# Altium PCB MotorBoard.PcbDoc (part 2 of 2)
Units mm, origin at the board's own origin, x right, y up, seen from the top; angles counter-clockwise.
Board outline 100 x 100 mm, 2 copper layers (Top Layer, Bottom Layer), stack 1.535 mm thick; 223 components, 73 nets, 805 pads, 205 vias.
Unrouted connection lines stored in the file: 31.
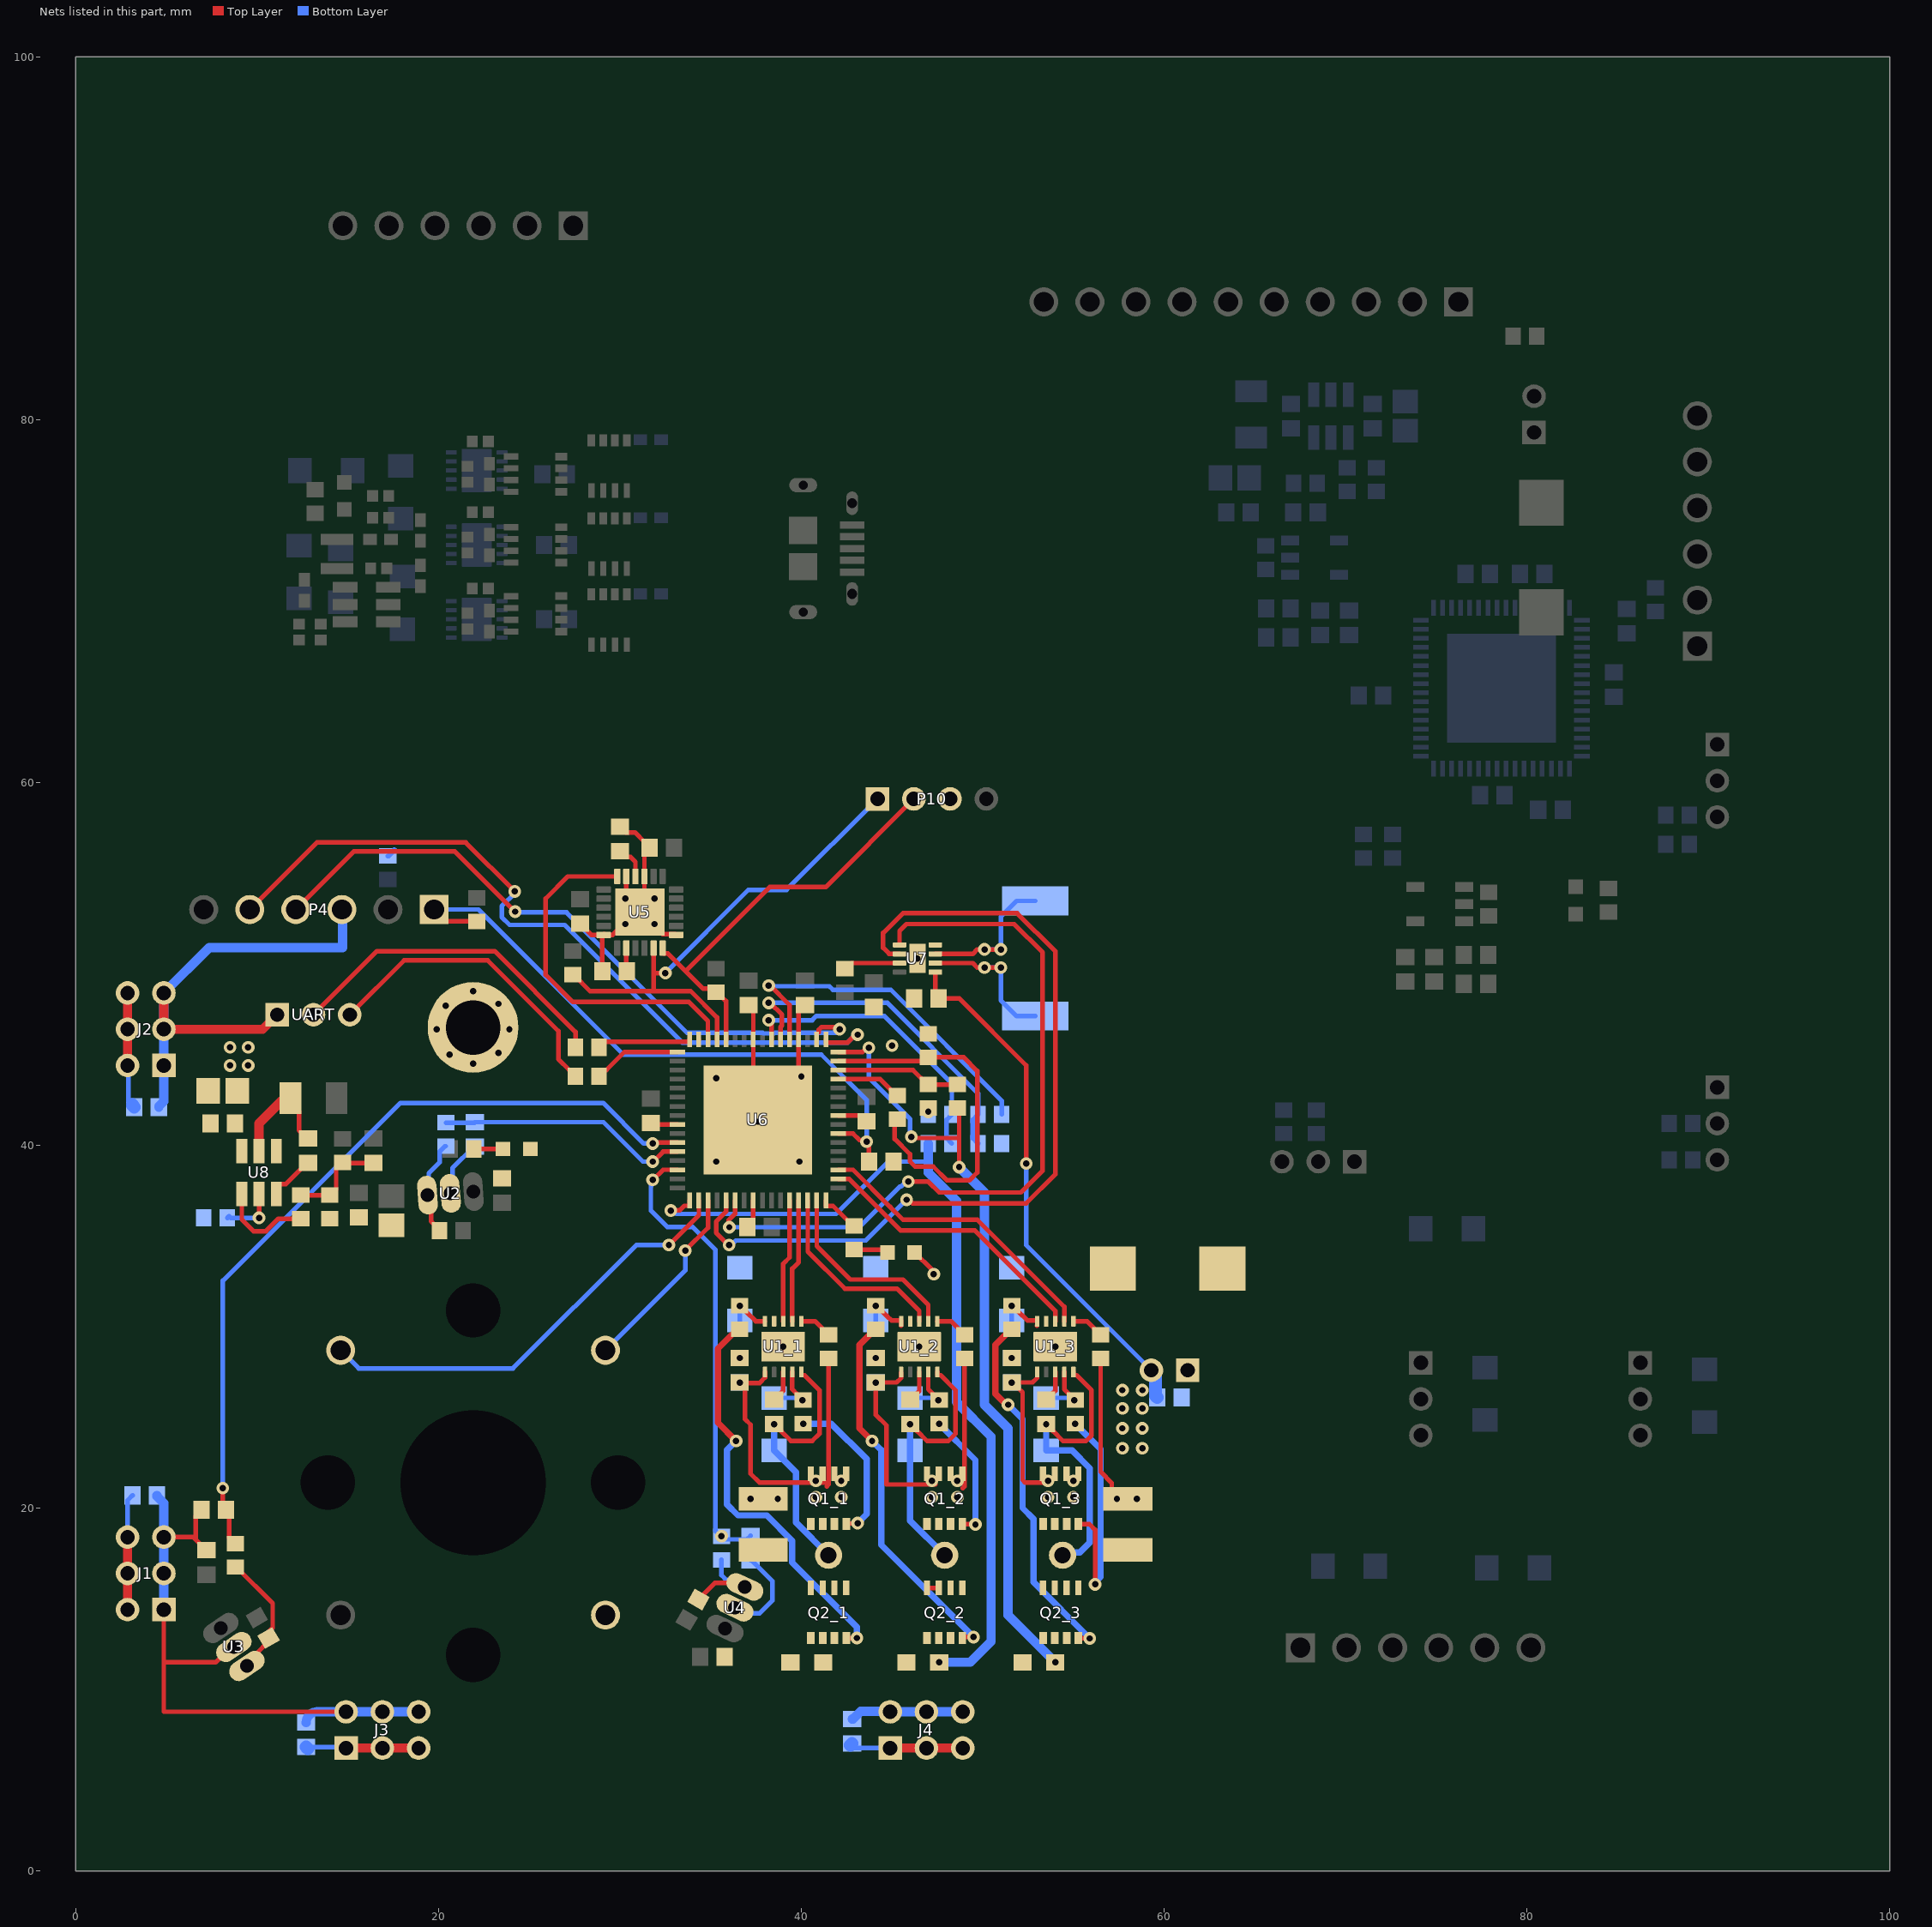
[diagram p2: the nets of this part, all layers, seen from the top]

## Via types
v1: diameter 0.7, hole 0.35, Top Layer to Bottom Layer, tented both sides, 140 vias
v2: diameter 0.7, hole 0.35, Top Layer to Bottom Layer, tented bottom, 41 vias
v3: diameter 0.7, hole 0.35, Top Layer to Bottom Layer, 18 vias
v4: diameter 0.7, hole 0.35, Top Layer to Bottom Layer, tented top, 6 vias

## Nets (pads, with @x,y where several pads share a name; then routed paths per layer and width w, separated by ;. In a path a pad name is that pad's centre, name@x,y a point inside that pad or via, vN(x,y) a via of type N, cw(c..) or ccw(c..) an arc to the next point about the centre after c; other vN are vias at no path point) (continued)
A: P6.1 U6.51 | length 10.6
  Top Layer w0.254: v1(33.6,34.2) 34.85,35.45 U6.51@34.85,36.965
  Bottom Layer w0.254: P6.1@29.2,28.7 33.6,33.1 v1(33.6,34.2)
B: P9.1 U6.50 | length 24.5
  Top Layer w0.254: v1(32.695,34.502) 32.702,34.502 34.35,36.15 U6.50@34.35,36.965
  Bottom Layer w0.254: P9.1@14.6,28.7 15.6,27.7 24.1,27.7 30.902,34.502 v1(32.695,34.502)
BRAKE_SWITCH: R16.1 U6.31 | length 1
  Top Layer w0.254: U6.31@34.347,45.838 U6.31@34.35,45.835
  Bottom Layer w0.254: R16.1@17.2,55.95 17.548,56.298 17.548,56.248 R16.1@17.25,55.95
Bridge_Out1: C2_1.1 D3_1.1 P1.1 Q1_1.1 Q1_1.2 Q1_1.3 Q2_1.5 Q2_1.6 Q2_1.7 Q2_1.8 U1_1.5 | length 15.5
  Top Layer w0.254: v1(38.5,24.625) 38.55,24.625 38.873,24.302 38.873,24.252 39.425,23.7 40.6,23.7 41,24.1 41,26.5 40.173,27.327 40.007,27.327 40,27.334 U1_1.5@40,27.5
  Bottom Layer w0.35: v1(38.5,24.625) D3_1.1@38.5,23.175 39.7,21.975 39.7,19.2 P1.1@41.5,17.4
Bridge_Out2: C2_2.1 D3_2.1 P2.1 Q1_2.1 Q1_2.2 Q1_2.3 Q2_2.5 Q2_2.6 Q2_2.7 Q2_2.8 U1_2.5 | length 15.7
  Top Layer w0.254: v1(46,24.625) 46.05,24.625 46.373,24.302 46.373,24.252 46.925,23.7 48.1,23.7 48.5,24.1 48.5,26.5 47.673,27.327 47.507,27.327 47.5,27.334 U1_2.5@47.5,27.5 ; Q2_2.8@46.925,15.6 Q2_2.7@47.575,15.6
  Bottom Layer w0.35: v1(46,24.625) 46,19.3 P2.1@47.9,17.4
Bridge_Out3: C2_3.1 D3_3.1 P3.1 Q1_3.1 Q1_3.2 Q1_3.3 Q2_3.5 Q2_3.6 Q2_3.7 Q2_3.8 U1_3.5 | length 17.1
  Top Layer w0.254: v1(53.5,24.625) 53.55,24.625 53.873,24.302 53.873,24.252 54.425,23.7 55.7,23.7 56,24 56,26.5 55.173,27.327 55.007,27.327 55,27.334 U1_3.5@55,27.5
  Bottom Layer w0.35: D3_3.1@53.5,23.175 54.925,23.175 55.9,22.2 55.9,18.1 55.352,17.552 54.552,17.552 P3.1@54.4,17.4 ; D3_3.1@53.5,23.3 v1(53.5,24.625)
DEBUG_LED: R28.1 U6.64 | length 2.3
  Top Layer w0.254: U6.64@41.35,36.965 41.35,36.665 41.353,36.662 41.738,36.662 42.85,35.55 R28.1@42.9,35.55
GND: C1_1.1 C1_2.1 C1_3.1 C3.2 C4.2 C5.2 C8.1 C9.1 C10.1 C11.1 C12.1 C13.1 C14.2 C15.2 C16.2 C17_1.1 C17_2.1 C17_3.1 C18.1 C20.2 C21.2 C22.2 C23.2 C24.2 C25.2 C26.2 C27.1 C28.2 C29.1 C30.2 C31.1 C32.1 C33.2 C34.2 C35.1 C36.1 D1.2 D2.2 D4_1.1 D4_2.1 D4_3.1 J1.1 J1.3 J1.5 J2.1 J2.3 J2.5 J3.2 J3.4 J3.6 J4.2 J4.4 J4.6 P4.3 P5.1 P7.1 P10.3 pad.1@21.9,46.5 R7_1.1 R7_2.1 R7_3.1 R8.1 R21.1 R27.1 R33.1 R35.1 U1_1.9 U1_1.11 U1_2.9 U1_2.11 U1_3.9 U1_3.11 U2.2 U3.2 U4.2 U5.1 U5.9 U5.11 U5.18 U5.25 U6.9 U6.20 U6.25 U6.41 U6.56 U6.65 U7.4 U7.9 U8.1 UART.1 | length 119.3
  Top Layer w0.254: J1.1@4.85,14.4 4.85,11.5 ; J1.5@4.85,18.4 4.852,18.398 6.477,18.398 6.602,18.273 ; C35.1@6.925,19.9 6.602,19.577 6.602,18.273 ; C4.2@7.2,17.675 7.15,17.675 6.827,17.998 6.827,18.048 6.602,18.273 ; U3.2@8.711,12.343 8.543,12.343 7.7,11.5 4.85,11.5 ; J3.2@14.9,8.77 4.85,8.77 4.85,11.5 ; C31.1@27.8,52.225 27.85,52.225 28.173,51.902 28.173,51.852 28.425,51.6 U5.18@29.073,51.6 ; C34.2@29.025,49.6 29.025,51.552 U5.18@29.073,51.6 ; C33.2@30,57.575 30.323,57.252 30.823,57.252 31.35,56.725 C32.1@31.35,56.125 ; U5.11@30.35,54.825 30.35,52.85 U5.25@31.1,52.85 ; C32.1@31.625,56.4 C32.1@31.35,56.125 ; C23.2@31.7,41.225 31.775,41.15 U6.41@33.165,41.15 ; U5.1@33.1,51.6 33.052,51.648 32.352,51.648 U5.25@31.15,52.85 ; C24.2@37.025,35.5 37.348,35.823 37.348,36.963 U6.56@37.35,36.965 ; C22.2@37.1,47.725 37.35,47.475 37.35,41.4 U6.65@37.6,41.4 39.85,43.65 U6.20@39.85,45.835 39.85,47.402 40.173,47.725 C20.2@40.2,47.725 ; U6.9@42.035,41.65 42.037,41.648 43.277,41.648 C21.2@43.6,41.325 ; D1.2@46.25,34.1 47.215,33.135 47.215,32.985 v1(47.3,32.9) ; J4.6@48.9,8.77 J4.6@49.06,8.61 ; U5.18@29.073,51.6 29.121,51.648 29.148,51.648 U5.18@29.1,51.6 29.6,51.6 30.638,52.638 cw(c31.15,52.126) U5.25@31.15,52.85 ; U5.25@31.1,52.85 31.35,53.1 U5.9@31.35,54.825 C32.1@31.35,56.125 ; U5.25@31.1,52.85 U5.25@31.15,52.85
  Top Layer w0.508: J2.5@4.85,48.4 J2.3@4.85,46.4 10.3,46.4 UART.1@11.1,47.2
  Top Layer w0.712: J4.6@49.06,8.61 J4.6@49.06,8.93
  Bottom Layer w0.254: U2.2@20.65,37.351 20.764,37.465 20.764,38.739 21.95,39.925 C11.1@22,39.925 ; U4.2@36.339,14.507 36.646,14.2 37.7,14.2 38.4,14.9 38.4,15.975 37.25,17.125 C36.1@37.2,17.125 ; R35.1@47,41.7 v1(47,41.85)
  Bottom Layer w0.508: C10.1@4.475,20.7 4.475,20.65 4.85,20.275 J1.5@4.85,18.4 J1.3@4.85,16.4 J1.1@4.85,14.4 ; C16.2@4.575,42.1 4.575,42.15 4.85,42.425 J2.1@4.85,44.4 J2.3@4.85,46.4 J2.5@4.85,48.4 7.35,50.9 14.7,50.9 ; C12.1@12.7,8.175 cw(c13.295,8.175) 13.295,8.77 J3.2@14.9,8.77 J3.4@16.9,8.77 J3.6@18.9,8.77 J3.6@19.099,8.77 ; 14.7,51 P4.3@14.7,53.43 ; C14.2@42.8,8.375 42.85,8.375 43.275,8.8 44.87,8.8 J4.2@44.9,8.77 J4.4@46.9,8.77 J4.6@48.9,8.77
  other v1: 45,45.5 46.4,50.3
  other v2: 36.6,28.275 44.1,28.275 51.6,28.275 39,28.9 46.5,28.9 54,28.9 35.3,39.1 39.9,39.1 37.6,41.3 35.3,43.7 40,43.8 21.9,44.5 20.6,45 23.3,45.1 19.9,46.4 23.9,46.4 20.4,47.7 23.3,47.8 21.9,48.5 30.3,52.2 31.9,52.2 30.3,53.6 31.9,53.6
HALL_OUT1: C11.2 R24.2 U6.44 | length 13.9
  Top Layer w0.254: v1(31.8,39.1) 31.834,39.1 32.384,39.65 U6.44@33.165,39.65
  Bottom Layer w0.254: R24.2@20.4,41.25 21.975,41.25 C11.2@22,41.275 29.091,41.275 31.266,39.1 v1(31.8,39.1)
HALL_OUT2: C35.2 R25.2 U6.43 | length 44.9
  Top Layer w0.254: v1(8.1,21.1) 8.1,20.075 8.452,19.723 8.452,18.348 8.75,18.05 R25.2@8.8,18.05 ; v1(31.8,40.1) 31.847,40.147 33.162,40.147 U6.43@33.165,40.15
  Bottom Layer w0.254: v1(8.1,21.1) 8.1,32.534 17.897,42.331 29.069,42.331 31.3,40.1 v1(31.8,40.1)
HALL_OUT3: C36.2 R26.2 U6.46 | length 25.5
  Top Layer w0.254: v1(31.8,38.1) 31.834,38.1 32.384,38.65 U6.46@33.165,38.65
  Bottom Layer w0.254: v1(31.8,38.1) 31.715,38.015 31.715,37.743 31.7,37.728 31.7,36.4 32.6,35.5 34,35.5 35.252,34.248 35.252,18.748 35.55,18.45 v1(35.6,18.45) 35.775,18.275 37,18.275 C36.2@37.2,18.475
I_SENSE1: Q2_1.1 Q2_1.2 Q2_1.3 R7_1.2
I_SENSE2: Q2_2.1 Q2_2.2 Q2_2.3 R7_2.2 R34.1 U6.49 | length 49.1
  Top Layer w0.254: v1(32.8,36.4) 32.82,36.42 33.305,36.42 33.555,36.67 33.847,36.67 33.85,36.673 U6.49@33.85,36.965
  Bottom Layer w0.254: v1(32.8,36.4) 32.921,36.4 33.104,36.216 41.916,36.216 44.8,39.1 47,39.1
  Bottom Layer w0.512: R34.1@47,40.1 47,39.1 47,38.5 48.56,36.94 48.56,25.84 50.46,23.94 50.46,12.644 49.316,11.5 v1(47.6,11.5)
I_SENSE3: Q2_3.1 Q2_3.2 Q2_3.3 R7_3.2 R17.1 U6.16 | length 43.2
  Top Layer w0.254: U6.16@42.035,45.15 43.375,45.15 43.606,45.381 v1(43.727,45.381) ; v1(46.067,40.467) 46.134,40.4 48.7,40.4 ; R17.1@48.6,42.05 48.5,41.95 48.7,41.75 48.7,40.4 ; v1(48.7,38.8) 48.7,40.4
  Bottom Layer w0.254: v1(43.727,45.381) 43.727,43.717 46,41.444 46,40.534 v1(46.067,40.467)
  Bottom Layer w0.512: v1(48.7,38.8) 50.1,37.4 50.1,25.7 51.4,24.4 51.4,14.1 v1(54,11.5)
INT: U5.12 U6.30 | length 19.7
  Top Layer w0.254: U5.12@29.85,54.825 27.125,54.825 25.9,53.6 25.9,49.4 27.4,47.9 33.8,47.9 34.847,46.853 34.847,45.838 U6.30@34.85,45.835
MCLR: C25.1 P4.1 R11.1 U6.7 | length 36
  Top Layer w0.254: P4.1@19.75,53 20.4,52.35 R11.1@22.1,52.35 ; U6.7@42.035,40.65 42.846,40.65 43.211,40.285 43.515,40.285 v1(43.6,40.2) 43.6,40.079 43.725,39.954 C25.1@43.725,39.1
  Bottom Layer w0.254: P4.1@19.75,53 22.2,53 30.2,45 41.1,45 43.6,42.5 v1(43.6,40.2)
NetC2_1_2: C2_1.2 U1_1.3 | length 1.8
  Top Layer w0.254: C2_1.2@38.5,25.975 38.55,25.975 38.873,26.298 38.873,26.348 39,26.475 U1_1.3@39,27.5
NetC2_2_2: C2_2.2 U1_2.3 | length 1.7
  Top Layer w0.254: C2_2.2@46,25.975 46.069,26.044 46.097,26.044 46.5,26.447 U1_2.3@46.5,27.5
NetC2_3_2: C2_3.2 U1_3.3 | length 1.8
  Top Layer w0.254: C2_3.2@53.5,25.975 53.55,25.975 53.873,26.298 53.873,26.348 54,26.475 U1_3.3@54,27.5
NetC6_1: C6.1 L1.1 U8.2 | length 6.8
  Top Layer w0.254: L1.1@11.352,42.452 11.581,42.681 11.744,42.681 L1.1@11.825,42.6 11.71,42.6 L1.1@11.63,42.52 ; L1.1@11.552,42.442 11.708,42.442 12.298,41.852 12.298,40.827 12.75,40.375 C6.1@12.8,40.375
  Top Layer w0.512: U8.2@10.1,39.685 10.1,41.204 11.348,42.452 L1.1@11.352,42.452
NetC6_2: C6.2 U8.6 | length 2.7
  Top Layer w0.254: U8.6@11.05,37.315 11.05,37.69 11.223,37.863 11.588,37.863 12.75,39.025 C6.2@12.8,39.025
NetC7_1: C7.1 R18.1 R20.2 R21.2 | length 5.5
  Top Layer w0.254: R20.2@12.4,37.25 14.05,37.25 14.352,37.552 14.352,38.752 14.65,39.05 R18.1@14.7,39.05 14.725,39.025 C7.1@16.4,39.025
NetC33_1: C33.1 U5.10 | length 1.9
  Top Layer w0.254: C33.1@30,56.225 30.323,55.902 30.573,55.902 30.85,55.625 U5.10@30.85,54.825
NetC34_1: C34.1 U5.20 | length 1.3
  Top Layer w0.254: U5.20@30.35,50.875 30.35,49.625 C34.1@30.375,49.6
NetD1_1: D1.1 R28.2 | length 1.9
  Top Layer w0.254: R28.2@42.9,34.25 44.6,34.25 D1.1@44.75,34.1
NetD2_1: D2.1 R10.2 | length 1.6
  Top Layer w0.254: R10.2@21.95,39.8 D2.1@23.55,39.8
NetD3_1_2: D3_1.2 R2_1.1 U1_1.4 | length 3.4
  Top Layer w0.254: U1_1.4@39.5,27.5 39.5,26.55 39.752,26.298 39.752,26.248 v1(40.05,25.95) R2_1.1@40.1,25.95
  Bottom Layer w0.254: D3_1.2@38.5,26.075 39.804,26.075 39.929,25.95 v1(40.05,25.95)
NetD3_2_2: D3_2.2 R2_2.1 U1_2.4 | length 3.4
  Top Layer w0.254: U1_2.4@47,27.5 47,26.55 47.252,26.298 47.252,26.248 v1(47.55,25.95) R2_2.1@47.6,25.95
  Bottom Layer w0.254: D3_2.2@46,26.075 47.304,26.075 47.429,25.95 v1(47.55,25.95)
NetD3_3_2: D3_3.2 R2_3.1 U1_3.4 | length 3.4
  Top Layer w0.254: U1_3.4@54.5,27.5 54.5,26.55 54.752,26.298 54.752,26.248 v1(55.05,25.95) R2_3.1@55.1,25.95
  Bottom Layer w0.254: D3_3.2@53.5,26.075 54.804,26.075 54.929,25.95 v1(55.05,25.95)
NetD4_1_2: D4_1.2 R3_1.1 U1_1.10 | length 2.7
  Top Layer w0.254: v3(36.6,31.15) 36.65,31.15 36.948,30.852 36.948,30.837 37.485,30.3 U1_1.10@37.993,30.3
  Bottom Layer w0.254: D4_1.2@36.6,30.25 v3(36.6,31.15)
NetD4_2_2: D4_2.2 R3_2.1 U1_2.10 | length 2.9
  Top Layer w0.254: R3_2.1@44.05,31.15 v3(44.1,31.15) 44.15,31.15 44.698,30.602 44.712,30.602 44.979,30.335 45.5,30.335 45.5,30.065 U1_2.10@45.487,30.052
  Bottom Layer w0.254: D4_2.2@44.1,30.35 v3(44.1,31.15)
NetD4_3_2: D4_3.2 R3_3.1 U1_3.10 | length 2.9
  Top Layer w0.254: R3_3.1@51.55,31.15 v3(51.6,31.15) 51.65,31.15 52.198,30.602 52.212,30.602 52.479,30.335 53,30.335 53,30.065 U1_3.10@52.987,30.052
  Bottom Layer w0.254: D4_3.2@51.6,30.35 v3(51.6,31.15)
NetQ1_1_4: Q1_1.4 R2_1.2 | length 8.7
  Top Layer w0.254: Q1_1.4@42.475,19.13 42.494,19.149 43.081,19.149 v1(43.1,19.168)
  Bottom Layer w0.35: v1(40.1,24.65) 41.65,24.65 43.6,22.7 43.6,19.668 v1(43.1,19.168)
NetQ1_2_4: Q1_2.4 R2_2.2 | length 7.1
  Top Layer w0.254: Q1_2.4@48.875,19.13 48.89,19.115 49.585,19.115 v1(49.6,19.1)
  Bottom Layer w0.35: v1(47.6,24.65) 49.6,22.65 v1(49.6,19.1)
NetQ1_3_4: Q1_3.4 R2_3.2 | length 13.6
  Top Layer w0.254: Q1_3.4@55.275,19.13 55.29,19.115 55.885,19.115 56.2,18.8 v1(56.2,15.8)
  Bottom Layer w0.35: v1(55.1,24.65) 56.5,23.25 56.5,16.195 56.2,15.895 v1(56.2,15.8)
NetQ2_1_4: Q2_1.4 R3_1.2 | length 22.7
  Top Layer w0.254: Q2_1.4@42.475,12.83 42.479,12.834 43.058,12.834 v1(43.062,12.838)
  Top Layer w0.35: v1(36.4,23.7) 35.395,24.705 35.395,28.795 36.2,29.6 36.35,29.6 R3_1.2@36.6,29.85
  Bottom Layer w0.35: v1(36.4,23.7) 35.9,23.2 35.9,20.2 36.5,19.6 38.1,19.6 39.5,18.2 39.5,17 43.062,13.438 v1(43.062,12.838)
NetQ2_2_4: Q2_2.4 R3_2.2 | length 20.6
  Top Layer w0.254: Q2_2.4@48.875,12.83 48.933,12.888 v1(49.488,12.888)
  Top Layer w0.35: v1(43.9,23.7) 43.2,24.4 43.2,29 44.05,29.85 R3_2.2@44.1,29.85
  Bottom Layer w0.35: v1(43.9,23.7) 44.4,23.2 44.4,17.977 v1(49.488,12.888)
NetQ2_3_4: Q2_3.4 R3_3.2 | length 20.4
  Top Layer w0.254: Q2_3.4@55.275,12.83 55.282,12.822 55.978,12.822 v1@55.985,12.815
  Top Layer w0.35: v1(51.4,25.7) 51.305,25.7 51.13,25.875 51.125,25.875 50.7,26.3 50.7,29 51.55,29.85 R3_3.2@51.6,29.85
  Bottom Layer w0.35: v1(51.4,25.7) 52.2,24.9 52.2,20 52.8,19.4 52.8,15.915 v1(55.9,12.815)
NetR1_1_2: R1_1.2 U1_1.6 | length 1.8
  Top Layer w0.254: U1_1.6@40,30.3 40.75,30.3 41.152,29.898 41.152,29.848 41.45,29.55 R1_1.2@41.5,29.55
NetR1_2_2: R1_2.2 U1_2.6 | length 1.8
  Top Layer w0.254: U1_2.6@47.5,30.3 48.25,30.3 48.652,29.898 48.652,29.848 48.95,29.55 R1_2.2@49,29.55
NetR1_3_2: R1_3.2 U1_3.6 | length 1.8
  Top Layer w0.254: U1_3.6@55,30.3 55.75,30.3 56.152,29.898 56.152,29.848 56.45,29.55 R1_3.2@56.5,29.55
NetR4_1: R4.1 R24.1 U2.3 | length 5.4
  Top Layer w0.254: U2.3@19.384,37.252 19.582,37.054 19.582,35.818 20.05,35.35 R4.1@20.05,35.3
  Bottom Layer w0.254: U2.3@19.384,37.252 19.457,37.325 19.457,38.457 20.052,39.052 20.052,39.652 20.35,39.95 R24.1@20.4,39.95
NetR5_2: R5.2 R25.1 U3.3 | length 6.9
  Top Layer w0.254: R25.1@8.8,16.75 8.85,16.75 10.853,14.747 10.853,13.397 10.625,13.169 10.625,12.646 9.917,11.938 9.917,11.783 U3.3@9.43,11.296
NetR6_2: R6.2 R26.1 U4.3 | length 5.6
  Top Layer w0.254: R6.2@34.435,14.853 R6.2@34.325,14.963 35.245,15.883 36.656,15.883 U4.3@36.886,15.653
  Bottom Layer w0.254: R26.1@35.6,17.15 35.6,16.3 35.86,16.04 36.499,16.04 U4.3@36.886,15.653
NetR12_1: R12.1 UART.3 | length 17.3
  Top Layer w0.254: UART.3@15.1,47.2 18.1,50.2 22.7,50.2 26.6,46.3 26.6,44.75 27.202,44.148 27.252,44.148 27.55,43.85 R12.1@27.55,43.8
NetR13_1: R13.1 UART.2 | length 18.6
  Top Layer w0.254: UART.2@13.1,47.2 16.6,50.7 23.1,50.7 27.55,46.25 R13.1@27.55,45.4
NetR14_1: R14.1 U7.2 | length 8.9
  Top Layer w0.254: U7.2@47.385,50.05 49.45,50.05 49.7,49.8 v1(50.1,49.8) v1@51.1,49.8
  Bottom Layer w0.254: v1(50.1,49.8) 51.1,49.8 v1@51.085,49.785 ; v1(51,49.8) 51,48 51.875,47.125 R14.1@52.9,47.125
NetR14_2: R14.2 U7.3 | length 8.7
  Top Layer w0.254: U7.3@47.385,50.55 49.45,50.55 49.7,50.8 v1(50.1,50.8) v1(51,50.8)
  Bottom Layer w0.254: v1@50.1,50.8 v1(51,50.8) 51,52.6 51.875,53.475 R14.2@52.9,53.475
NetR15_1: R15.1 U7.7 | length 3.1
  Top Layer w0.254: R15.1@42.4,49.75 42.45,49.75 42.75,50.05 U7.7@45.415,50.05
NetR19_1: R19.1 U8.5 | length 3.1
  Top Layer w0.254: v1(10.1,36) U8.5@10.1,37.315
  Bottom Layer w0.254: R19.1@8.35,36 8.45,36.1 8.55,36 v1(10.1,36)
NetR20_1: R20.1 U8.4 | length 5.2
  Top Layer w0.254: U8.4@9.15,37.315 9.15,35.916 9.797,35.269 10.484,35.269 11.165,35.95 R20.1@12.4,35.95
NetU6_53: U6.53 U7.6 | length 47.8
  Top Layer w0.254: U6.53@35.85,36.965 35.847,36.962 35.847,36.335 35.3,35.788 35.3,35.183 35.983,34.5 v1(36.013,34.5) ; U7.6@45.415,50.55 45.402,50.563 44.837,50.563 44.505,50.895 44.505,51.705 45.6,52.8 51.9,52.8 54,50.7 54,38.4 52.4,36.8 46.121,36.8 45.921,37 v1(45.8,37)
  Bottom Layer w0.254: v1(36.013,34.5) 36.13,34.5 36.385,34.754 43.554,34.754 v1(45.8,37)
NetU6_54: U6.54 U7.5 | length 42.2
  Top Layer w0.254: v1(36.031,35.485) 35.985,35.531 35.985,35.87 36.35,36.234 U6.54@36.35,36.965 ; U7.5@45.415,51.05 45.415,51.815 45.8,52.2 51.734,52.2 53.3,50.634 53.3,38.6 52.1,37.4 47.6,37.4 47,38 v1(45.9,38)
  Bottom Layer w0.254: v1(36.031,35.485) 43.185,35.485 45.431,37.731 45.51,37.731 45.779,38 v1(45.9,38)
OA2IN+: R17.2 R27.2 U6.14 | length 6.9
  Top Layer w0.254: U6.14@42.035,44.15 46.15,44.15 46.95,43.35 R27.2@47,43.35 R17.2@48.6,43.35
OA2IN-: R8.2 R9.1 U6.15 | length 20.7
  Top Layer w0.254: U6.15@42.035,44.65 46.8,44.65 R8.2@47,44.85 48.95,44.85 49.7,44.1 49.7,38.5 49.269,38.069 48.031,38.069 47.269,38.831 46.269,38.831 45.993,39.107 45.993,39.507 45.149,40.351 45.149,41.299 R9.1@45.3,41.45
OA2OUT: R9.2 U6.13 | length 3.6
  Top Layer w0.254: U6.13@42.035,43.65 44.35,43.65 45.25,42.75 R9.2@45.3,42.75
OA3IN+: R34.2 R35.2 U6.23 | length 16.4
  Top Layer w0.254: v1(38.2,46.9) 38.2,46.779 38.35,46.629 U6.23@38.35,45.835
  Bottom Layer w0.254: v1(38.2,46.9) 40.596,46.9 40.827,47.131 44.569,47.131 48.3,43.4 R35.2@48.3,41.7 48.002,41.402 48.002,40.398 R34.2@48.3,40.1
OA3IN-: R32.1 R33.2 U6.22 | length 19
  Top Layer w0.254: v1(38.2,47.854) 38.28,47.854 38.931,47.203 38.931,46.597 38.85,46.516 U6.22@38.85,45.835
  Bottom Layer w0.254: v1(38.2,47.854) 44.746,47.854 49.75,42.85 R32.1@49.75,41.7 49.452,41.402 49.452,40.398 R33.2@49.75,40.1
OA3OUT: R32.2 U6.21 | length 19.7
  Top Layer w0.254: v1(38.2,48.808) 38.28,48.808 39.35,47.738 U6.21@39.35,45.835
  Bottom Layer w0.254: v1(38.2,48.808) 38.239,48.769 41.545,48.769 41.745,48.569 44.931,48.569 51.05,42.45 R32.2@51.05,41.7
PGC: P4.5 U6.17 | length 43.7
  Top Layer w0.254: P4.5@9.59,53 13.29,56.7 21.5,56.7 v1(24.2,54) ; U6.17@41.35,45.835 41.35,45.672 41.353,45.669 42.548,45.669 42.979,46.1 v1(43.1,46.1)
  Bottom Layer w0.254: v1(24.2,54) 24.2,53.9 23.486,53.186 23.486,52.58 23.914,52.152 26.948,52.152 33.431,45.669 42.548,45.669 42.979,46.1 v1(43.1,46.1)
PGD: P4.4 U6.18 | length 37.4
  Top Layer w0.254: P4.4@12.13,53 15.33,56.2 20.9,56.2 v1(24.217,52.883) ; U6.18@40.85,45.835 40.85,46.135 40.966,46.251 40.966,46.37 41.115,46.519 41.96,46.519 42.079,46.4 v1(42.109,46.4)
  Bottom Layer w0.254: v1(24.217,52.883) 24.256,52.844 27.056,52.844 33.7,46.2 37.866,46.2 37.897,46.169 38.503,46.169 38.534,46.2 41.879,46.2 42.079,46.4 v1(42.109,46.4)
PWMH1: U1_1.8 U6.60 | length 6.8
  Top Layer w0.254: U1_1.8@39,30.3 39,33.469 39.35,33.819 U6.60@39.35,36.965
PWMH2: U1_2.8 U6.62 | length 10.9
  Top Layer w0.254: U6.62@40.35,36.965 40.353,36.962 40.353,34.147 42.4,32.1 45.267,32.1 46.5,30.867 U1_2.8@46.5,30.3
PWMH3: U1_3.8 U6.2 | length 15.5
  Top Layer w0.254: U6.2@42.035,38.15 42.038,38.147 42.63,38.147 45.477,35.3 49.567,35.3 54,30.867 U1_3.8@54,30.3
PWML1: U1_1.7 U6.61 | length 6.8
  Top Layer w0.254: U1_1.7@39.5,30.3 39.5,33.2 39.85,33.55 U6.61@39.85,36.965
PWML2: U1_2.7 U6.63 | length 10.9
  Top Layer w0.254: U6.63@40.85,36.965 40.853,36.962 40.853,34.447 42.7,32.6 45.6,32.6 47,31.2 U1_2.7@47,30.3
PWML3: U1_3.7 U6.3 | length 16.4
  Top Layer w0.254: U6.3@42.035,38.65 42.85,38.65 44.9,36.6 45.6,35.9 49.7,35.9 54.5,31.1 U1_3.7@54.5,30.3